# KiCad board FrontEnd_5G.kicad_pcb (continued)
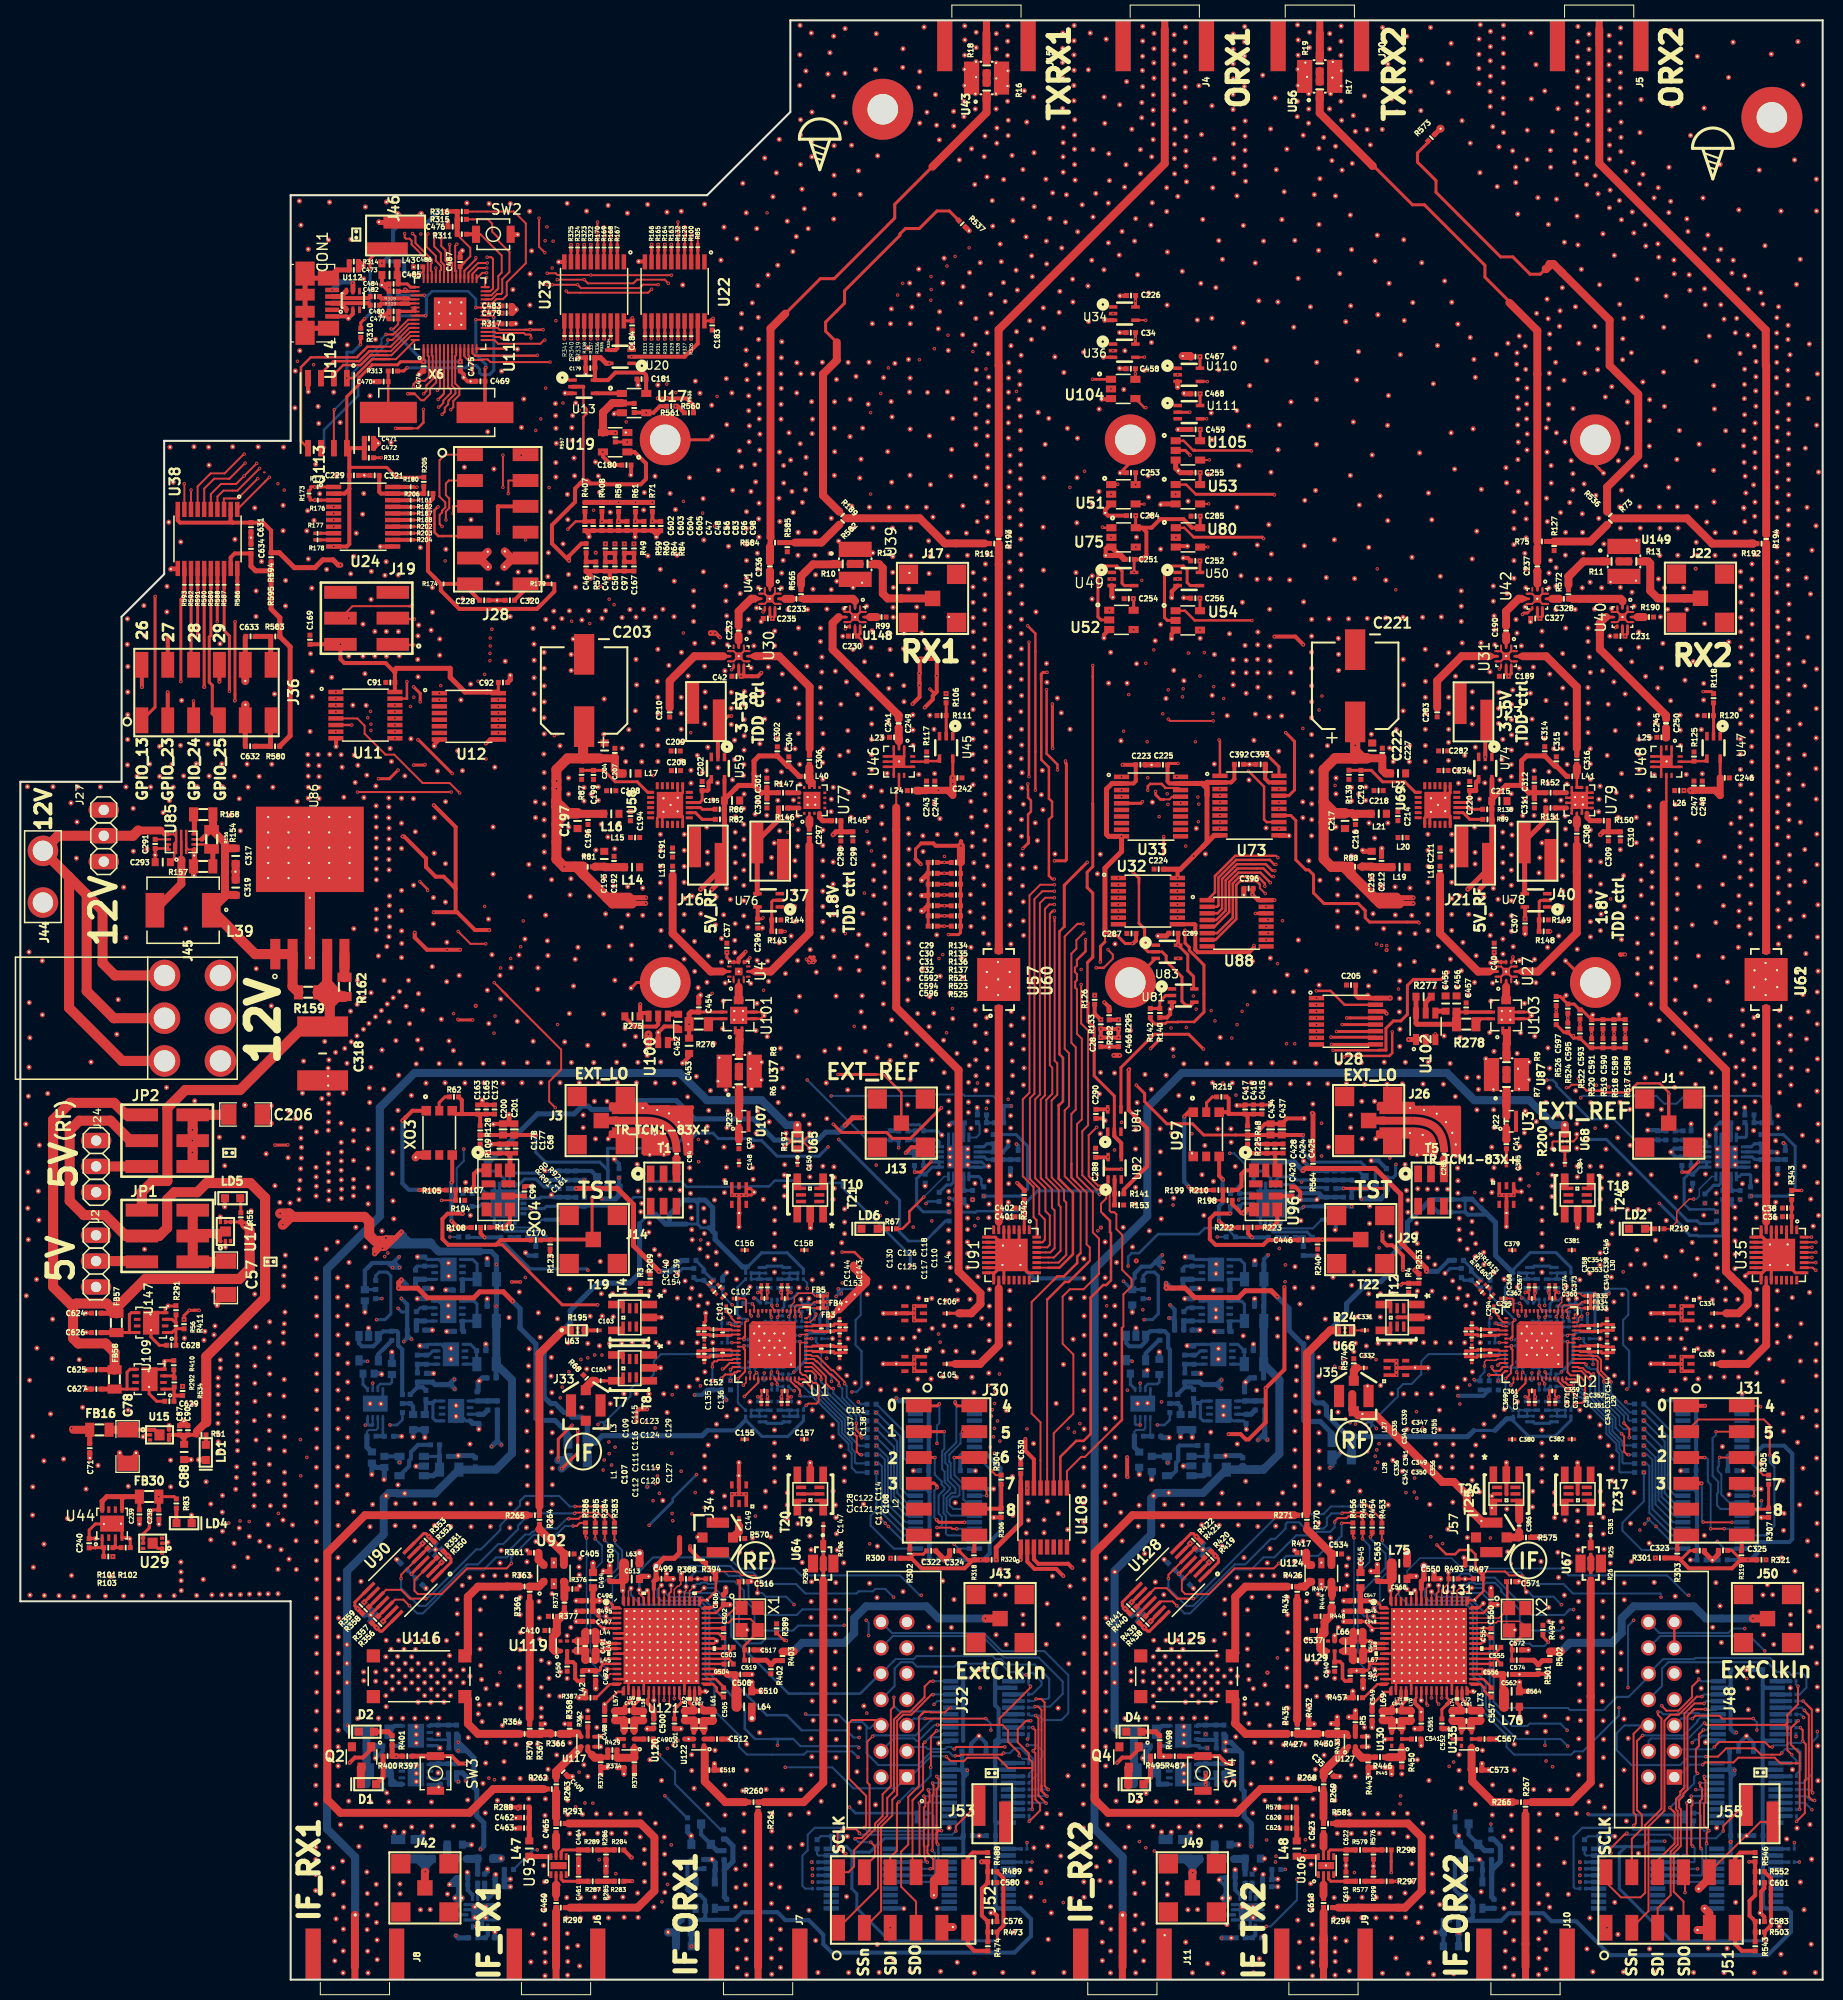
[diagram p0: board, top side]
## Routing (per net, layer and track width the routed paths; a pad name or vN(x,y) marks a point on that pad's centre or on a via; arc(x,y) is an arc through that point) (continued)
  B.FR4 w0.25: 41.19,125.79 41.86,125.79 41.86,125.9 45.33,129.37 ; 45.35,129.39 45.33,129.37 ; 45.33,129.37 45.61,129.65 v1(46.16,129.65) ; 153.31,18.81 152.92,18.81 151.41,20.32 151.41,27.31 151.88,27.78 151.88,30.79 150.81,31.86 150.81,37.64 149.03,39.42 ; 149.03,39.42 148.99,39.46 ; 149.03,39.42 147.57,40.88 v2(146.56,40.88)
  B.FR4 w0.3: 41.19,125.79 v1(41.19,125.8) 42.32,125.8 42.48,125.63 42.48,122.21 39.78,119.51 v1(39.78,119.43) ; 153.31,18.81 153.31,17.09 v2(154.11,16.29) ; v1(35.21,118.04) 35.6,117.65 35.6,102.29 25.74,92.43 25.74,79.78 21.09,75.13 21.09,70.33 20.49,69.73 v2(20.49,44.88) ; v1(38.66,119.38) 37.63,119.38 v1(37.13,118.88)
  B.FR4 w0.4: v1(55.97,133.29) 55.97,133.67 56.75,134.45 56.75,135.79 54.75,137.79 54.75,141.95 56.13,143.33 v1(57.17,143.33)
  B2.RO w0.3: v2(154.11,16.29) 154.21,16.19 163.41,16.19 R544.1
  B2.RO w0.4: R545.1 R544.1
SC1905_#2_SSENn: length 302.6
  F.RO w0.25: v2(66.47,49.64) 66.47,49.65
  F.RO w0.3: v2(153.31,9.6) 153.31,9.6 ; v1(26.29,82.05) 26.27,82.03 v1(25.03,82.03) ; v1(31.01,122.66) 31.01,122.67 U11.7
  F.FR4 w0.2: 83.32,55.33 83.32,55.98 83.72,56.38 84.8,56.38 85,56.18 86.43,56.18 86.87,56.62
  F.FR4 w0.25: 83.32,55.33 83.32,53.07 83.2,52.95 83.2,51.34 82.63,50.77 82.51,50.89 80.3,50.89 79.06,49.65 73.81,49.65 73.31,50.15 70.21,50.15 69.66,49.6 67.87,49.6 67.83,49.64 v2(66.47,49.64) ; 24.95,43 24.95,42.99 24.89,42.99 23.59,44.29 22.4,44.29 v2(21.6,45.09) ; v2(97.21,39.64) 97.21,38.44 99.4,36.25 99.4,36.24 101.33,34.31 108.59,34.31 108.86,34.04 114.49,34.04 114.99,34.54 124.21,34.54 125.73,36.06 126.33,36.06 127.12,36.86 127.34,36.86 128.61,38.13 128.61,40.27 130.56,42.22 133.9,42.22 134.73,43.05 138.87,43.05 139.03,43.21 139.67,43.21 139.81,43.07 v2(139.81,42.86) ; 45.86,41.98 46.7,42.82 50.05,42.82 50.42,42.45 53.52,42.45 54.79,43.72 55.1,43.72 56.04,44.66 v2(61.81,44.66) ; 86.87,56.62 88.71,58.46 88.71,58.56 88.91,58.76 88.91,59.93 89.52,60.54 95.48,60.54 95.85,60.17 97.23,60.17 98.95,58.45 v2(98.95,54.14)
  F.FR4 w0.3: 24.95,43 26.1,43 28.95,40.15 34.14,40.15 38.32,35.97 39.86,35.97 41.18,37.29 41.18,38.63 44.09,41.54 45.42,41.54 45.86,41.98 ; 21.6,45.13 v2(21.6,45.09) 22.4,44.29
  B.FR4 w0.25: v2(139.81,42.86) 140.83,42.86 141.42,42.27 141.95,42.27 144.3,39.92 145.3,39.92 148.79,36.43 148.79,31.82 148.78,31.81 148.78,20.14 149.49,19.43 149.49,17.07 150.1,16.46 150.1,11.05 151.55,9.6 v2(153.31,9.6) ; v2(97.21,39.64) 97.21,43.76 96.61,44.36 96.61,47.78 96.96,48.13 96.97,48.13 96.97,52.16 v2(98.95,54.14)
  B.FR4 w0.3: v1(25.03,82.03) 23.79,83.27 23.79,91.85 34.39,102.45 34.39,117.02 32.25,119.16 32.25,121.05 32.06,121.24 32.06,122.47 31.87,122.66 v1(31.01,122.66) ; 22.15,67.51 23.45,68.81 23.45,75.4 26.91,78.86 26.91,81.43 v1(26.29,82.05)
  B.FR4 w0.4: v2(21.6,45.09) 21.6,46.8 22.15,47.35 22.15,67.51
  B2.RO w0.25: 64.13,47 64.13,47.3 v2(66.47,49.64) ; 64.13,47 61.81,44.68 v2(61.81,44.66) 64.13,46.98 64.13,47
SC1905_FB_#1: length 8.8
  F.RO w0.5: 67.28,22.59 67.2,22.67 U122.1 ; R260.2 71.26,17.45
  F.RO w0.79: 67.26,22.61 67.28,22.59 C518.2 67.28,19.48 69.31,17.45 71.26,17.45
SC1905_FB_#2: length 11.7
  F.RO w0.35: 142.66,20.67 C573.2 ; U135.1 142.66,22.76
  F.RO w0.5: 142.72,19.48 144.73,17.47 ; 146.7,17.45 146.7,17.46 146.71,17.45 R266.2
  F.RO w0.79: 146.7,17.45 144.75,17.45 142.72,19.48 C573.2 142.66,20.67 142.66,22.76
SC1905_IN_#1: length 6.3
  F.RO w0.3: 52.66,20.38 C409.2 52.66,20.38 ; 52.66,20.38 52.66,19.67 R263.1 ; 52.66,20.38 52.66,19.96
  F.RO w0.5: 54.83,22.62 55.11,22.89 U117.1
  F.RO w0.79: 54.88,22.62 54.83,22.62 52.66,20.45 52.66,19.96
SC1905_IN_#2: length 8.5
  F.RO w0.25: R269.1 128.13,20.48 128.32,20.67 C35.2
  F.RO w0.5: U127.1 130.57,22.9 130.25,22.58 ; R269.1 128.13,20.07 ; 128.12,19.97 128.12,20.45
  F.RO w0.79: 129.75,22.1 130.22,22.58 130.25,22.58 ; 129.75,22.1 128.12,20.47 128.12,20.45 ; 129.75,22.1 128.13,20.48 128.13,20.07 128.12,19.97
SC1905_OUT_#1: length 8.6
  F.RO w0.5: C405.2 53.45,41.84 51.03,44.26 R264.2
  F.RO w0.79: U92.4 53.43,41.74 C405.2 53.46,41.84 51.04,44.26 51.03,44.26
SC1905_OUT_#2: length 6.3
  F.RO w0.25: 128.07,42.66 128.89,41.84
  F.RO w0.5: 127.98,42.75 128.07,42.66 ; R270.2 126.47,44.26
  F.RO w0.79: 128.07,42.66 128.89,41.84 C534.2 128.88,41.74 U124.4 ; 127.98,42.75 126.47,44.26
SCLK_2: length 569.7
  F.RO w0.2: U115.17 46.66,161.96 46.77,161.85 49.5,161.85 49.65,161.7 50.12,161.7 50.2,161.62 v1(50.2,161.35) ; U1.13 70.24,60.21 70.24,60.21 70.06,60.21 v2(69.81,59.96) ; v2(144.66,60.23) 144.67,60.23 144.67,60.04 144.87,59.84 145.43,59.84 145.6,60.01 145.6,60.1 145.71,60.21 U2.13
  F.RO w0.25: v1(38.74,133.73) 36.71,133.73 J19.3
  F.RO w0.3: v2(153.31,11.55) 153.31,11.55
  F.FR4 w0.25: 66.34,48.59 63.94,50.99 60.84,50.99 58.95,49.1 53.58,49.1 53.26,49.42 38.81,49.42 37.88,50.35 35.14,50.35 34.88,50.61 32.05,50.61 31.33,51.33 v2(28.16,51.33) ; 66.34,48.59 v2(66.34,47.88) ; 66.34,48.59 v2(64.96,49.97) ; v1(38.74,133.73) 40.21,133.73 v1(45.64,128.3) ; 41.86,34.61 45.76,34.61 47.99,36.84 49.6,36.84 49.6,37.33 51.79,39.52 51.79,39.59 52.79,39.59 53.17,39.21 55.48,39.21 55.69,39.42 55.69,41.58 55.78,41.67 56.68,41.67 57.07,41.28 58.17,41.28 58.18,41.27 60.03,41.27 60.09,41.33 71.82,41.33 72.76,40.39 74.54,40.39 75.8,41.65 77.29,41.65 77.55,41.39 80.35,41.39 80.96,42 98.47,42 100.36,40.11 100.36,39.32 103.16,36.52 107.15,36.52 108.63,38 109.87,38 112.45,35.42 118.9,35.42 119.14,35.66 123.61,35.66 124.39,36.44 124.62,36.44 126.71,38.53 126.71,41.05 127.58,41.92 129.5,41.92 130.32,42.74 133.1,42.74 133.35,42.99 133.35,43.72 133.54,43.91 134.37,43.91 134.58,43.7 136.43,43.7 136.6,43.53 v2(138.65,43.53) ; 39.41,34.14 37.74,34.14 38.5,34.14 ; 19.63,48.77 19.31,48.45 19.31,43.44 21.99,40.76 23.35,40.76
  F.FR4 w0.3: 23.35,40.76 23.86,40.76 28.21,36.41 31.59,36.41 34.23,33.77 35.29,33.77 35.66,34.14 39.41,34.14 39.88,34.61 41.86,34.61 ; 19.63,48.77 19.63,49.79 21.17,51.33 v2(28.16,51.33) ; v2(93.61,76.67) 94.63,77.69 95.69,77.69 95.95,77.43 98.4,77.43 99.39,78.42 106.11,78.42 108.26,80.57 120.35,80.57 121.97,78.95 128.48,78.95 128.85,79.32 131.42,79.32 131.86,78.88 131.86,78.87 135.12,78.87 135.71,79.46 136.41,79.46 136.46,79.51 140.61,79.51 140.97,79.15 144.07,79.15 144.12,79.2 146.22,79.2 146.26,79.24 148.82,79.24 148.83,79.23 v2(149.18,79.23)
  B.FR4 w0.2: 142.85,57.04 140.12,54.31 140.12,46.25 138.65,44.78 v2(138.65,43.53) ; 142.85,57.04 142.85,57.05 ; 142.85,57.04 144.67,58.86 v2(145.29,58.86) ; 168.08,74.29 169.04,74.29 ; 77.79,11.64 77.87,11.64 ; v2(77.77,11.55) 77.76,11.54 77.87,11.65 77.87,12.13 ; v1(50.2,161.35) 50.2,160.44 50.14,160.38 50.14,158.78 40.84,149.48 40.84,146.65 39.89,145.7 39.89,140.51 39.28,139.9 39.28,134.27 v1(38.74,133.73) ; v2(144.66,60.23) 144.66,60.24
  B.FR4 w0.25: 77.87,12.7 80.77,15.6 80.77,23.02 81.08,23.33 81.08,33.88 80.22,34.74 80.22,34.95 80.74,35.47 80.74,35.86 80.06,36.54 77.32,36.54 75.5,38.36 75.5,42.88 73.77,44.61 70.19,44.61 69.7,45.1 69.3,45.1 68.06,46.34 68.06,46.74 66.92,47.88 v2(66.34,47.88) ; 77.87,12.7 R483.2 77.87,12.7 ; 41.24,104.49 41.24,95.49 33.31,87.56 33.31,76.04 28.16,70.89 v2(28.16,51.33) ; 41.24,104.49 41.24,104.63 ; 41.24,104.49 41.24,114.55 41.23,114.55 41.23,118.18 45.64,122.59 v1(45.64,128.3) ; 151.79,12.44 151.79,17.13 151.14,17.78 151.14,19.27 149.29,21.12 149.29,26.27 149.44,26.42 149.44,29.34 149.21,29.57 149.21,30.38 149.65,30.82 149.64,30.82 149.64,37.69 147.4,39.93 146.12,39.93 144.19,41.86 ; 144.19,41.86 144.17,41.88 ; 144.19,41.86 143.47,41.86 142.44,42.89 141.73,42.89 140.94,43.68 138.8,43.68 v2(138.65,43.53) ; v2(64.96,49.97) 64.96,53.3 68.56,56.9 68.56,57.03 69.11,57.58 69.41,57.58 69.81,57.98 v2(69.81,58.88) ; 149.49,77.08 149.29,76.88 149.29,76.49 148.8,76 148.8,74.94 147.03,73.17
  B.FR4 w0.3: 151.79,12.44 152.68,11.55 v2(153.31,11.55) ; 151.22,75.21 149.49,76.93 149.49,78.92 v2(149.18,79.23) ; 151.22,75.21 151.31,75.11 157.17,75.11 ; 151.22,75.21 149.06,75.21 148.8,74.94 ; 157.17,75.11 157.19,75.11 ; 157.17,75.11 161.21,75.11 161.77,75.67 162.88,75.67 163.44,75.11 164.42,75.11 165.14,74.39 165.86,74.39 165.95,74.48 167.89,74.48 168.08,74.29 ; 169.04,74.29 169.66,74.91 169.66,76.06 v2(169.05,76.67) ; 144.66,60.24 144.66,60.65 144.33,60.98 144.33,61.4 144.2,61.53 144.2,62.35 144.12,62.43 144.12,64.37 143.71,64.78 143.71,65.66 144.14,66.09 144.14,67.92 145.66,69.44 145.66,71.8 147.03,73.17
  B2.RO w0.2: v2(144.66,60.23) 144.66,60.03 145.29,59.4 v2(145.29,58.86) ; R483.2 v2(77.77,11.55) ; v2(69.81,58.88) v2(69.81,59.96)
SDIO_2: length 294.3
  F.RO w0.2: v2(69.03,60.02) 69.14,60.02 69.73,60.61 U1.12 ; v2(145.24,60.39) 145.46,60.61 U2.12
  F.RO w0.3: 58.47,152.06 v1(58.49,152.04)
  F.RO w0.4: U17.2 59.16,154.93 R535.2
  F.RO w0.5: U19.4 58.47,152.06
  F.RO w0.79: U19.4 57.27,154.04 58.19,154.96 U17.2
  F.FR4 w0.2: 71.64,57.88 71.67,57.88 ; 71.64,57.88 70.44,57.88 70.22,58.1 67.96,58.1 67.36,58.7 67.36,59.08 67.86,59.58 68.38,59.58 68.81,60.01 69.05,60.01 v2(69.03,60.02) ; 71.64,57.88 73.21,57.88 73.29,57.8 74.93,57.8 75.1,57.97 75.1,58.18 75.37,58.45 75.82,58.45 76.28,58.91 76.99,58.91 78.02,59.94 79.62,59.94 80.07,59.49 80.64,59.49 81.79,60.64 83.73,60.64 84.5,61.42 85.1,61.42 85.91,62.22 87.56,62.22 87.87,62.53 88.14,62.53 88.14,62.58 88.62,62.58 88.84,62.8 89.6,62.8 ; 147.95,78.02 v2(148.3,78.02)
  F.FR4 w0.25: 89.6,62.8 v2(90.26,63.46) ; v2(85.15,76.39) 85.16,76.39 86.18,77.41 89.57,77.41 90.16,76.82 v2(91.3,76.82)
  F.FR4 w0.3: 147.96,78.02 147,78.02 146.92,77.94 141.04,77.94 140.37,78.61 140.41,78.61 ; 110.79,78.6 110.79,78.56 112.17,78.56 ; 112.17,78.56 112.51,78.56 112.93,78.98 115.42,78.98 116.54,77.86 128.96,77.86 129.52,78.42 130.78,78.42 131.4,77.8 ; 112.17,78.56 108.61,78.56 108.57,78.6 ; 140.41,78.61 139.75,78.61 ; 140.41,78.61 139.53,78.61
  F.FR4 w0.4: 110.79,78.6 108.57,78.6 107.13,77.16 106.1,77.16 v2(106.09,77.17) ; 131.4,77.8 135.17,77.8 135.61,78.24 136.85,78.24 137.22,78.61 139.75,78.61
  B.FR4 w0.2: 155.82,78.34 151.98,78.34 151.8,78.52 150.38,78.52 150,78.9 150,79.36 149.38,79.98 148.82,79.98 148.44,79.6 148.44,78.16 v2(148.3,78.02) ; 145.1,61.51 145.24,61.37 v2(145.24,60.39)
  B.FR4 w0.25: 156.35,77.81 155.82,78.34 ; 68.41,63.68 69.01,63.07 69.01,60.04 v2(69.03,60.02) ; 59.23,77.08 57.18,79.13 57.18,81.02 53.95,84.25 53.95,88.07 52.79,89.23 52.79,90.81 52.77,90.83 ; v2(85.15,76.39) 85.15,75.42 85.4,75.17 85.4,72.68 86.87,71.21 87.57,71.21 88.2,70.58 88.27,70.58 88.27,69.73 90.28,67.72 90.28,66.4 90.05,66.17 90.05,64.35 90.26,64.14 v2(90.26,63.46)
  B.FR4 w0.3: 147.55,70.17 147.4,70.32 147.4,70.33 ; 147.55,70.17 150.17,70.17 150.82,70.82 155.98,70.82 156.12,70.96 160.18,70.96 163.03,73.81 v2(163.47,73.81) ; 147.55,70.17 146.75,69.37 146.75,68.61 145.94,67.8 145.94,63.81 145.36,63.81 144.78,63.23 144.78,61.83 145.1,61.51 ; 156.35,77.81 156.35,77.54 157.59,76.3 v2(161.12,76.3) ; 59.23,77.08 59.23,75.13 61.9,72.46 62.97,72.46 64.94,70.49 65.17,70.49 68.4,67.26 68.4,66.51 68.11,66.22 68.11,63.97 68.41,63.68
  B.FR4 w0.4: 58.68,134.59 58.04,133.94 58.04,113.59 56.49,112.03 55.76,112.03 54.59,110.86 54.59,109.38 55.08,108.89 55.08,105.69 55.9,104.87 55.9,93.61 53.12,90.83 52.77,90.83 ; 58.68,134.59 58.69,134.59 ; 58.68,134.59 61.75,137.65 62.85,137.65 63.99,138.79 63.99,139.35 64,139.35 63.47,139.88 63.47,140.74 63.99,141.26 63.99,143.09 62.93,144.15 62.93,145.86 61.01,147.78 61.01,149.06 60.12,149.95 58.84,149.95 58.49,150.3 v1(58.49,152.04)
  B2.RO w0.25: v2(91.3,76.82) 91.47,76.82 91.62,76.67 R77.2 ; 93.88,75.43 93.88,75.4 94.02,75.54 98,75.54 98.64,76.18
  B2.RO w0.3: 93.88,75.43 92.54,75.43 91.92,76.05 R77.2 ; v2(161.12,76.3) 163.47,73.95 v2(163.47,73.81) 164.13,73.15 164.88,73.15 164.94,73.09 167.33,73.09 167.36,73.12 R230.1 ; 98.18,75.7 98.16,75.7 100,77.54 105.72,77.54 v2(106.09,77.17)
SDO_2: length 238.8
  F.RO w0.2: v2(144.35,59.43) 145.58,59.43 145.96,59.81 U2.14 ; v2(68.91,59.1) 69.29,59.48 70,59.48 70.21,59.69 70.41,59.69 U1.14
  F.RO w0.3: v1(43.02,94.38) 43.07,94.33 v1(44.46,94.33)
  F.RO w0.4: 65.07,154.21 R561.2 64.63,154.65 v1(64.43,154.65)
  F.FR4 w0.2: 122.38,60.01 117.86,60.01 116.64,58.79 ; 124.44,58.53 124.63,58.34 127.36,58.34 127.42,58.4 130.81,58.4 136.05,53.16 138.08,53.16 138.61,53.69 138.61,54.77 139.09,55.25 140.17,55.25 140.9,55.98 140.9,55.99 141.49,56.58 v2(141.5,56.58) ; 92.52,63.96 92.52,64.66 92.28,64.9 89.59,64.9 89.15,64.46 88.67,64.46 88.6,64.39 88.13,64.39 87.54,63.8 85.24,63.8 84.8,63.36 84.8,62.61 83.24,61.05 81.43,61.05 81.07,60.69 80.08,60.69 79.79,60.4 78.38,60.4 78.38,60.39 77.55,60.39 76.44,59.28 76.2,59.28 75.97,59.05 76.04,59.12 75.95,59.03 73.65,59.03 73.37,58.75 ; v2(68.91,59.1) 69.25,59.44 70.17,59.44 70.45,59.72 70.8,59.72 70.98,59.54 70.98,59.37 71.89,58.46 73.08,58.46 ; 73.08,58.46 73.37,58.75 ; 73.08,58.46 73.46,58.84 73.37,58.75
  F.FR4 w0.25: 122.38,60.01 122.38,60.02 122.95,60.02 124.44,58.53 ; 97.84,63.68 97.84,63.71 99.47,62.08 99.47,61.39 102.24,58.62 104.93,58.62 106.64,56.91 106.82,56.91 107.48,56.25 107.93,56.25 108.76,55.42 113.27,55.42 116.64,58.79
  F.FR4 w0.3: 92.52,63.96 92.8,63.68 97.84,63.68 ; v1(53.34,154.97) 53.66,154.97 54.53,155.84 56.03,155.84 57.09,154.78 63.81,154.78 64.43,155.4 64.43,155.98
  B.FR4 w0.2: v2(144.35,59.43) v2(141.5,56.58)
  B.FR4 w0.25: 65.5,54.9 68.04,57.44 68.04,58.02 68.91,58.89 v2(68.91,59.1) ; 43.23,91.58 43.02,91.79 v1(43.02,94.38)
  B.FR4 w0.3: 43.23,91.58 44.6,90.21 44.6,82.14 58.83,67.91 58.83,66.85 59.17,66.51 59.17,64.91 58.53,64.27 58.53,61.97 58.57,61.93 58.57,60.13 58.49,60.05 58.49,57.64 60.76,55.37 61.57,55.37 62.04,54.9 65.5,54.9 ; v1(44.46,94.33) 44.97,94.33 45.9,95.26 45.9,96.18 50.52,100.8 50.52,105.17 50.51,105.17 51.06,105.72 51.06,106.86 50.52,107.4 50.52,108.83 50.72,109.03 50.72,110.59 50.11,111.2 50.11,113.33 49.91,113.53 49.91,116.17 50.11,116.37 50.11,123.9 49.01,125 49.01,132.45 49.48,132.92 49.48,136.49 50.99,138 50.99,140.96 51.5,141.47 51.5,145.02 53.36,146.88 53.36,154.95 v1(53.34,154.97)
  B.FR4 w0.4: v1(64.43,154.65) v1(64.43,156)
  B2.RO w0.2: v2(144.35,59.43) 144.39,59.39 R251.1
  B2.RO w0.4: R207.1 v2(68.91,59.1)
Vdio: length 1495.9
  F.RO w0.1: 145.33,100.02 144.89,100.46 v1(144.89,100.98)
  F.RO w0.15: 46.2,163.96 47.21,163.96 U115.22
  F.RO w0.2: v2(85.03,44.86) 85.02,44.86 ; C480.1 37.16,163.96 U115.49 ; C482.1 U115.44 ; 47.21,163.96 U115.22 ; 47.21,163.96 v1(47.36,163.81) 47.21,163.96 ; 39.6,168.43 39.65,168.38 U115.42 ; v2(36.45,162.25) 36.66,162.25 37.14,162.72 C477.1 ; 43.24,168.37 C487.1 43.24,168.37 ; 43.24,168.37 U115.33 43.24,168.37 ; U104.5 v1(109.61,157.85) C458.2 ; 39.27,167.6 39.65,167.98 39.65,168.27 C486.1 ; R311.1 42.95,171.5 44.23,170.22 44.23,169.38 43.65,168.8
  F.RO w0.25: v1(121.11,106.65) 121.19,106.73 C396.1 ; v1(113.76,108.29) 113.75,108.28 113.74,108.28 ; 38.18,163.98 38.43,163.98 U115.48 ; v1(82.72,131.11) 82.72,131.64 C230.2 ; 92.46,111.88 92.48,111.9 ; U115.1 v2(39.65,159.02) ; U115.48 U115.49 38.81,164.31 38.76,164.36 U115.48 ; U115.10 C475.1 ; v2(38.58,167.6) 39.27,167.6
  F.RO w0.3: v2(171.48,3.82) 171.48,4.64 R503.2 ; 113.76,108.31 113.74,108.28 ; v2(96.03,3.81) 96.04,3.82 96.04,4.64 R473.2 ; v2(39.65,159.02) 37.38,159.02 37.09,158.73 34.59,158.73 33.29,157.43 33.29,156.79 32.09,155.59 U113.8 ; v2(43.26,159.02) C475.1 ; U22.20 C183.1 68.01,163.2 v1(68.1,163.29) ; U23.20 C184.1 60.14,163.31 v1(60.16,163.33) ; v1(111.1,91.52) 111.95,92.37 v1(112.07,92.37) ; v1(91.23,102.72) 92.23,102.72 92.42,102.91 R525.2 R523.2 R521.2 R137.2 R136.2 R135.2 R134.2 ; v1(115.96,159.52) U110.5 ; v1(115.97,155.87) U111.5 ; U105.5 115.97,152.36 v1(115.98,152.37) ; U75.5 109.64,142.72 v1(109.64,143.9) ; C225.1 112.9,119.54 v1(113.8,119.54) ; v1(109.49,138.32) 109.49,139.59 C251.2 ; U52.5 109.44,135.71 v1(109.41,135.74) ; U50.5 115.96,139.44 v1(115.95,139.45) ; U54.5 115.96,135.77 v1(115.95,135.78) ; v1(123.3,106.1) 123.3,106.11 U88.16 ; 32.34,148.64 36.02,148.64 36.99,147.67 R205.1 ; U11.16 36.82,126.56 ; U12.16 46.99,126.45 C92.1 ; v1(17.57,65.78) 17.55,65.8 17.09,65.8 17.08,65.79 v1(16.61,65.79) 16.09,65.27 v1(16.09,64.88) ; v2(161.46,56.91) 161.44,56.91 ; 38.21,165.96 C482.1 ; 152.67,92.57 152.69,92.55 R522.2 154.27,91.59 R520.2 R519.2 R518.2 R517.2 ; 152.67,92.57 v1(152.67,92.78) ; 152.67,92.57 R524.2 151.73,93.12 R526.2 ; v1(152.67,92.78) 152.57,92.68 v1(152.67,92.78) ; U34.5 v1(109.62,165) 109.62,165.52 C226.2 ; U36.5 v1(109.61,161.31) C34.2 ; v1(89.41,126.85) 89.87,126.4 89.88,126.4 ; v2(61.61,69.61) 61.88,69.34 61.96,69.34 R209.2 ; 77.61,100.49 77.99,100.49 ; 77.61,100.49 77.61,100.5 77.94,100.17 78.12,100.17 77.99,100.3 77.99,100.49 ; 77.61,100.49 77.99,100.49 ; 77.99,100.49 78.01,100.51 77.99,100.49 ; 88.56,111.69 88,111.13 88,110.15 ; 78.14,100.14 77.97,99.97 77.94,99.97 ; 77.94,99.97 77.56,99.97 v1(77.55,99.96) 77.55,100.02 v1(77.27,100.3) ; 77.94,99.97 v1(77.94,99.98) ; 157.75,100.77 v3(157.76,100.76) ; U27.8 U27.9 145.33,100.02 144.88,100.46 144.88,101.02 ; U4.8 U4.9 69.88,100.02 69.45,100.45 v1(69.45,100.97) ; U31.8 146.06,128.34 v1(146.29,128.11) 146.56,128.38 U31.9 ; v1(109.63,146.95) C253.2 ; U41.8 73.68,134.04 v1(73.93,133.79) 74.18,134.04 U41.9 ; U40.8 157.49,132.31 v1(157.74,132.06) 157.99,132.31 U40.9 157.99,132.99 ; U53.5 v1(115.97,148.12) ; 149.62,134.8 149.62,134.05 v1(149.37,133.79) 149.12,134.03 149.12,134.8 ; U80.5 v1(115.98,143.85) ; U30.8 70.62,128.34 v1(70.85,128.11) 71.12,128.38 U30.9 ; U39.8 82.05,132.31 C230.2 82.55,132.31 U39.9 ; C487.1 43.65,168.8 ; 38.18,163.98 C480.1 38.37,163.98 38.18,163.98
  F.RO w0.4: R552.2 172.08,9.97 172.08,5.32 R503.2 ; U33.19 112.97,117.58 112.77,117.77 C225.1 ; U73.2 119.02,117.68 119.34,118 C392.1 ; C205.1 131.26,96.75 131.53,96.48 U28.16 132.78,96.48 v1(132.45,96.81) ; 113.76,108.31 113.76,108.91 113.52,109.15 C224.1 ; v1(134.3,101.2) 134.31,101.2 ; R473.2 96.64,5.32 96.64,9.97 R489.2 ; 42.35,173.79 R316.2 ; R316.2 42.92,173.81 ; R316.2 42.92,173.81 ; U108.16 98.34,49.76 C630.1 ; 32.34,146.53 31.87,146.06 U24.2 ; 32.34,146.53 32.34,141.11 32.1,140.87 v1(30.8,140.87) ; 32.34,146.53 C229.1 32.34,150.28 U113.8 C472.1 ; U17.5 61.51,155.93 C181.1 61.51,157.71 61.26,157.96 58.5,157.96 57.76,157.22 U13.5 C179.1 ; 89.64,129.83 v1(88.41,129.83) ; v1(88.41,129.83) v1(90.09,129.83) 90.09,128.18 v1(90.08,128.17) 90.08,126.59 89.69,126.2 89.69,125.83 v1(88.9,125.04) ; v1(88.41,129.83) 88.41,128.42 v1(88.38,128.39) 88.38,127.46 88.39,127.45 v1(88.39,127.23) 88.39,126.07 v1(87.7,125.38) ; 71.09,100.77 70.62,100.3 70.62,100.36 ; v2(37.83,166.13) 37.89,166.07 37.89,165.96 ; C251.2 110.28,139.6 110.69,140.01 110.69,142.29 110.27,142.71 U75.5 111.2,142.71 112.04,143.55 114.33,143.55 115.17,142.71 U80.5 ; 92.48,111.9 92.46,111.88 92.46,111.45 ; C180.1 58.09,148.87 57.27,149.69 U19.5 v1(57.26,150.15) ; 20.88,143.21 20.66,143.43 20.66,144.5 U38.2 ; 20.88,143.21 C631.1 23.88,143.21 24.65,142.44 R594.1 ; 20.88,143.21 15.7,143.21 15.48,143.44 U38.10 ; C396.1 121.11,107.17 v1(121.11,106.65) 121.66,106.11 U88.16 ; 42.92,173.81 v2(41.69,173.81) ; v1(126.12,131.22) 125.33,132.01 v1(123.28,132.01) ; 70.62,100.36 70.62,100.37 v1(71.29,101.04) ; 70.62,100.36 U4.8 ; v1(72.84,128.45) 72.5,128.11 v1(70.85,128.11) ; 67.85,132.36 67.85,132.35 v1(67.86,132.36) 68.34,132.36 v1(68.77,131.93) ; 92.46,111.45 89.98,111.45 89.74,111.69 88.56,111.69 ; 92.46,111.45 v1(92.46,111.44) ; 88,110.15 v1(88.51,109.64) ; 45.83,126.56 45.83,126.55 46.88,126.55 U12.16 ; v2(168.13,13.54) 168.12,13.54 ; 157.29,100.74 157.3,100.73 157.26,100.77 157.75,100.77 ; U11.16 C91.1 36.82,128.49 35.9,129.41 31.85,129.41 31.46,129.8 v1(31.46,131.25) 31.46,131.25 C169.1 ; C477.1 37.14,163.97 ; v1(106.21,93.45) v1(106.21,92.6) v1(107.95,92.6) v1(107.95,93.45) v1(106.21,93.45)
  F.RO w0.5: 117.92,112.48 117.37,112.48 116.24,111.35 ; R312.1 33.81,150.53 C472.1 C471.1 ; v1(57.89,158.87) 57.59,158.87 57.04,159.42 C182.1 56.47,158.41 C179.1 ; v1(67.86,132.36) 67.84,132.34 ; v1(67.86,132.36) v1(68.28,132.36) 67.85,132.36 v1(67.86,132.36) ; 36.82,128.49 36.82,128.75 36.96,128.89 42.26,128.89 42.26,128 43.7,126.56 46.91,126.56 ; 134.67,96.49 v1(134.66,96.48) U28.16 ; 116.24,111.35 v1(115.33,110.44) 114.04,109.15 C224.1 ; 116.24,111.35 116.65,111.76 116.65,116.43 ; v2(95.93,41.27) 95.93,42.47 98.34,44.88 U108.16 ; 31.51,139.04 v1(31.46,139.04) 31.25,139.04 30.74,139.55 29.73,139.55 28.97,138.79 26.93,138.79 25.47,140.25 R594.1 ; v2(137.09,69.74) 137.1,69.74 R253.2 ; 116.65,117.68 116.67,117.68 116.42,117.43 116.28,117.58 116.14,117.58 ; 116.65,117.68 U73.2 ; 116.65,117.68 116.65,116.43 ; 116.65,116.43 116.65,117.07 116.14,117.58 116.14,117.58 ; 116.14,117.58 U33.19 ; R407.2 R408.2 v1(58.81,145.2) v1(60.47,145.2) v1(62.13,145.2) ; R315.2 R316.2 ; R315.2 42.95,172.3 ; R315.2 R311.1
  F.RO w0.79: v1(92.46,111.44) 92.46,109.85 R134.2
  F.FR4 w0.2: v2(160.78,44.55) 160.79,44.55
  F.FR4 w0.25: 74.03,133.79 v1(73.93,133.79) ; v1(121.11,106.65) 121.11,106.27 120.22,105.38 117.92,105.38 115.01,108.29 v1(113.76,108.29) ; 92.48,111.89 92.46,111.87 v1(92.46,111.44) ; 94.45,112.68 93.74,111.97 92.99,111.97 ; 93.85,130.22 94.76,129.31 97.49,129.31 98.15,129.97 ; 153.2,55.03 153.2,55.05 154.1,55.95 ; 68.95,91.42 68.9,91.37
  F.FR4 w0.3: 104.87,90.02 105.05,89.84 ; 108.24,89.84 109.08,90.68 110.25,90.68 111.1,91.53 ; 108.79,88.39 110.22,89.82 111.31,89.82 112.52,91.03 112.52,91.92 v1(112.07,92.37) 112.15,92.45 114.92,92.45 ; v1(16.61,65.79) 16.62,65.8 18.57,65.8 18.74,65.63 24.87,65.63 28.18,68.94 28.18,80.16 28.66,80.64 28.66,81.53 29.69,82.56 30.68,82.56 31.33,83.21 31.79,83.21 32.07,83.49 32.07,83.82 32.97,84.72 32.97,91.07 34.88,92.98 56.72,92.98 58.44,91.26 60.53,91.26 60.83,91.56 66.44,91.56 66.63,91.37 68.9,91.37 ; 114.92,92.45 116.46,92.45 116.92,91.99 v1(125.27,91.99) ; 114.92,92.45 112.39,92.45 ; 154.1,55.95 154.11,55.96 154.11,56.33 155.08,57.3 160.63,57.3 161.02,56.91 v2(161.46,56.91) ; v1(58.45,141.12) 59.12,140.45 59.75,140.45 60.32,141.02 v1(60.32,141.12) ; v1(152.67,92.78) 152.5,92.78 150.33,94.96 ; v2(141.32,57.39) 142.03,57.39 143.04,56.38 145.18,56.38 145.51,56.71 146.29,56.71 146.29,56.7 146.35,56.64 146.35,56.65 147.2,55.8 ; 127.93,131.03 127.74,131.22 ; 78.52,54.59 78.92,54.59 80.39,56.06 82.7,56.06 83.38,56.74 85.69,56.74 v2(86.09,57.14) 85.83,57.4 84.87,57.4 84.84,57.37 83.26,57.37 83.15,57.48 82.3,57.48 82.05,57.23 79.9,57.23 77.96,55.29 77.96,55.19 77.96,55.22 ; 68.95,91.42 70.55,91.42 70.96,91.83 ; 78.36,100.89 77.95,100.48 ; 78.36,100.89 77.95,100.48 ; 78.36,100.89 78.61,101.14 82.62,101.14 82.92,100.84 83.74,100.84 84.55,101.65 84.56,101.65 84.56,101.67 86.6,101.67 87.24,101.03 88.06,101.03 88.34,100.75 v1(90.67,100.75) ; 77.95,100.48 77.61,100.48 ; 77.95,100.48 77.95,100 ; 77.61,100.48 77.3,100.48 76.93,100.85 ; 77.61,100.48 77.61,100.51 ; 76.93,100.85 77.27,100.51 v1(77.27,100.3) 77.27,100.32 ; 76.93,100.85 76.67,101.11 75.96,101.11 75.68,100.83 73.32,100.83 73.32,100.93 73.09,101.16 72.28,101.16 72.16,101.04 v1(71.29,101.04) ; 78.13,100.16 77.99,100.3 77.99,100.49 ; 78.13,100.16 78.12,100.17 ; 78.13,100.16 78.14,100.16 ; 77.61,100.51 77.96,100.16 78.14,100.16 ; 77.61,100.51 77.61,100.49 ; 78.14,100.16 78.14,100.14 ; 77.56,99.96 77.27,100.25 77.27,100.32 ; 77.56,99.96 v1(77.55,99.96) ; 77.56,99.96 77.93,99.96 77.95,99.98 ; 77.95,99.98 v1(77.94,99.98) ; 77.95,99.98 77.95,100 ; 77.27,100.32 77.63,100.32 77.95,100 ; 159.89,93.74 154.42,93.74 153.17,94.99 152.5,94.99 150.62,96.87 150.33,96.87 ; 151.43,98.5 151.43,98.78 153.64,100.99 154.49,100.99 ; 150.86,97.93 150.86,98.12 ; 157.26,100.76 157.26,100.77
  F.FR4 w0.4: 74.03,133.79 75.66,132.16 79.43,132.16 80.22,131.37 82.46,131.37 v1(82.72,131.11) ; v1(90.09,129.83) 84.22,129.83 83.72,130.33 82.62,130.33 81.59,129.3 78.36,129.3 76.42,131.24 75.3,131.24 74.76,131.78 70.7,131.78 70.7,131.77 70.52,131.95 68.75,131.95 68.74,131.96 ; v1(90.09,129.83) 90.11,129.83 ; v1(90.09,129.83) 92.12,129.83 92.51,130.22 93.85,130.22 ; v2(64.08,57.49) 64.1,57.47 64.08,57.47 64.08,57.48 v2(66.28,57.48) ; 134.95,95.8 136.97,95.8 136.98,95.81 136.98,95.8 ; 111.43,110.08 111.46,110.08 109.84,110.08 ; 93.14,111.97 93.11,111.97 ; 92.99,111.97 v1(92.46,111.44) ; v1(16.09,64.88) 16.09,65.27 v1(16.61,65.79) ; 98.15,129.97 99.6,129.97 102.79,133.16 107.99,133.16 108.79,133.96 111.96,133.96 112.23,134.23 114.53,134.23 115.01,133.75 115.66,133.75 ; 115.66,133.75 115.95,134.04 v1(115.95,135.78) 115.95,134.23 116.43,133.75 ; 115.66,133.75 116.43,133.75 ; 116.43,133.75 119.31,133.75 120.02,134.46 121.4,134.46 122.45,133.41 ; 122.45,133.41 123.28,132.58 v1(123.28,132.01) ; 122.45,133.41 123.25,132.61 ; 78.52,54.59 78.52,54.64 78.02,55.14 78.02,55.22 ; 147.2,55.8 147.2,55.79 148.24,55.79 148.54,56.09 150.4,56.09 151.48,55.01 153.18,55.01 153.2,55.03 ; 70.96,91.83 71.08,91.95 73.9,91.95 74.71,92.76 74.76,92.76 ; 70.96,91.83 70.96,91.82 70.96,91.83 ; 109.84,110.08 109.42,110.08 108.18,111.32 99.46,111.32 99.02,111.76 98.01,111.76 97.47,112.3 95.83,112.3 95.44,112.68 94.45,112.68 ; 109.84,110.08 111.52,110.08 111.66,109.94 113.19,109.94 113.69,110.44 v1(115.33,110.44) ; v1(73.93,133.79) 73.65,133.51 73.65,133.15 72.99,132.49 72.67,132.49 72.11,133.05 71.3,133.05 70.94,133.41 68.66,133.41 67.83,134.24 65.92,134.24 63.21,136.95 v1(57.03,136.95) ; v2(161.64,13.61) 161.64,13.13 163.32,11.45 164,11.45 164.61,12.06 165.97,12.06 167.45,13.54 v2(168.13,13.54) ; 150.33,96.78 150.33,96.87 150.33,94.96 ; 151.43,98.5 150.86,97.93 ; 160.49,93.33 160.49,93.35 160.1,93.74 159.89,93.74 ; 157.26,100.77 157.26,100.76 ; 157.26,100.77 157.26,100.76 ; 157.26,100.77 157.29,100.74 157.04,100.99 154.49,100.99 ; 157.26,100.76 v3(157.76,100.76) ; 97.74,91.05 98.43,90.36 ; v1(149.37,133.79) 149.58,133.58 149.81,133.58 150.7,132.69 150.7,132.25 150.27,131.82 148.74,131.82 147.56,133 145.88,133 145.56,133.32 143.28,133.32 142.35,132.39 134.01,132.39 132.65,131.03 127.93,131.03 127.74,131.22 v1(126.12,131.22)
  F.FR4 w0.5: 144.88,100.98 v1(144.89,100.98) 144.89,100.68 145.39,100.17 145.39,97.22 ; v2(171.6,41.27) 170.77,40.44 164.99,40.44 164.17,41.26 160.91,41.26 v2(160.72,41.45) ; v2(95.93,41.27) 94.93,40.27 89.72,40.27 v2(88.73,41.26) 85.72,41.26 v2(85.56,41.42) ; 104.87,90.02 104.87,92.99 104.2,93.66 98.42,93.66 97.71,92.95 97.06,92.95 96.3,92.19 94.73,92.19 93.82,93.1 90.3,93.1 89.94,92.74 89.94,91.94 89.06,91.06 87.81,91.06 87.28,91.6 86.72,91.6 86.2,91.08 86.2,91.06 85.25,91.06 83.55,92.76 77.05,92.76 ; 105.05,89.84 108.24,89.84 ; 77.05,92.76 74.76,92.76 ; 77.05,92.76 77.05,91.44 78.37,90.12 82.79,90.12 83.29,89.62 87.6,89.62 88.38,88.84 88.38,88.83 88.75,88.46 91.17,88.46 92.58,89.87 92.58,90.53 93.24,91.19 94.16,91.19 94.72,90.63 96.77,90.63 97.19,91.05 97.74,91.05 ; 108.79,88.39 105.26,88.39 103.29,90.36 98.43,90.36 ; 52.67,163.03 52.22,163.48 51.59,163.48 51.31,163.76 49.68,163.76 49.4,163.48 47.68,163.48 v1(47.36,163.81) ; 46.81,93.03 46.86,92.98 ; 46.17,93.03 46.17,92.98 46.22,93.03 v1(46.56,93.03) ; 145.39,97.22 143.32,97.22 143.08,96.98 143.08,96.13 142.75,95.8 136.98,95.8 ; 145.39,97.22 149.88,97.22 149.92,97.18 ; 134.95,95.8 134.67,96.08 134.67,96.49 ; 150.33,96.78 149.92,97.18 ; 149.92,97.18 150.86,98.12 ; 78.02,55.22 77.96,55.22 ; 67.53,132.36 68.34,132.36 v1(68.77,131.93) ; 67.53,132.36 v1(65.18,132.36) v1(68.28,132.36) v1(67.86,132.36) 67.53,132.36 ; v1(65.18,145.3) 65.08,145.2 v1(62.13,145.2) v1(60.47,145.2) v1(58.81,145.2) ; 77.96,55.19 76.31,55.19 75.43,56.07 73.06,56.07 73.04,56.05 71.48,56.05 70.55,56.98 v2(69.39,56.98) ; 45.49,92.98 47.57,92.98 45.49,92.98
  F.FR4 w0.79: 46.17,93.03 46.81,93.03
  B.FR4 w0.1: v1(144.89,100.98) 144.89,100.98
  B.FR4 w0.2: 47.08,171.01 47.08,166.38 47.35,166.11 47.35,163.81 v1(47.36,163.81) ; v1(109.61,157.85) 109.63,157.85 ; v1(109.61,157.85) 109.63,157.85 ; v1(109.61,157.85) 109.63,157.85
  B.FR4 w0.25: v1(121.11,106.65) 121.1,106.65 ; 64.4,60.4 64.4,60.38 ; 71.95,106.23 71.95,106.21 ; 71.95,106.23 71.95,106.87 ; 71.95,106.23 71.95,103.89 72.25,103.59 72.25,101.93 71.34,101.02 ; 110.9,155.71 110.9,156.55 109.61,157.84 v1(109.61,157.85) ; 64.4,65.34 64.4,64.99
  B.FR4 w0.3: 111.07,91.52 v1(111.1,91.52) ; 47.36,163.81 v1(47.36,163.81) ; v1(90.67,100.75) 90.67,102.16 v1(91.23,102.72) 91.23,100.95 ; v1(90.67,100.75) 91.04,100.75 91.23,100.94 91.23,100.95 ; v1(90.67,100.75) 90.67,100.74 v1(90.3,100.37) ; v1(91.05,93.07) 90.67,93.45 90.67,97.29 91.23,97.85 91.23,100.95 ; v1(115.97,148.12) 115.98,148.12 ; v1(115.97,148.12) 115.97,143.86 v1(115.98,143.85) 115.98,139.48 v1(115.95,139.45) v1(115.95,135.78) 115.94,135.78 114.54,134.38 114.54,131.41 114.27,131.14 114.27,129.62 114.54,129.35 114.54,129.04 113.5,128 113.5,122.77 113.23,122.5 113.23,120.68 113.8,120.11 v1(113.8,119.54) ; v1(115.97,148.12) 115.98,148.13 v1(115.98,152.37) 115.97,152.38 v1(115.97,155.87) ; v1(115.97,155.87) 115.98,155.88 ; v1(115.97,155.87) 115.96,155.88 v1(115.96,159.52) ; 109.63,159.53 109.64,159.53 ; 109.63,159.53 109.62,159.54 109.62,161.31 ; 109.63,159.53 109.63,157.85 ; v1(109.41,135.74) 109.41,138.24 v1(109.49,138.32) ; v1(125.27,91.99) 125.8,92.52 125.8,96.95 126.48,97.63 ; v1(124.47,91.99) 124.47,97.35 122.13,99.69 122.13,100.24 121.59,100.78 121.04,100.78 120.58,101.24 120.58,105.3 121.11,105.83 v1(121.11,106.65) ; v1(123.3,106.1) 124.82,104.58 124.82,100.77 125.44,100.15 125.44,98.69 126.48,97.65 126.48,97.63 ; 126.48,97.63 127.42,98.57 130.69,98.57 131.22,98.04 131.22,97.43 131.84,96.81 v1(132.45,96.81) ; v1(30.8,140.87) 30.8,140.87 ; v1(31.46,131.25) 31.46,131.25 ; v2(88.73,41.26) 88.73,38.93 90.23,37.43 90.23,31.63 93.02,28.84 93.02,20.92 93.09,20.85 v2(93.09,20.58) ; v1(57.89,158.87) 57.89,158.88 ; v1(115.33,110.44) 115.32,110.45 115.31,110.45 ; 109.62,161.31 v1(109.61,161.31) ; 109.62,161.31 v1(109.61,161.31) ; 109.62,161.31 v1(109.61,161.31) ; 109.62,161.31 v1(109.62,165) ; 109.63,145.52 109.63,144.52 109.63,143.91 v1(109.64,143.9) ; 109.63,145.52 v1(109.63,146.95) ; 109.63,145.52 112.41,148.3 112.41,149.6 112.58,149.77 112.58,154.03 110.9,155.71 ; 164.17,41.26 165.22,40.21 165.22,32.48 167.01,30.69 167.01,25.42 167.91,24.52 167.91,21.2 v2(168.53,20.58) ; 60.53,163.04 60.24,163.33 v1(60.16,163.33) ; 59.69,163.06 59.89,163.06 ; 59.69,163.06 59.65,163.06 ; 59.69,163.06 59.89,163.06 ; 59.89,163.06 v1(60.16,163.33) ; 59.89,163.06 v1(60.16,163.33) ; 59.89,163.06 v1(60.16,163.33) ; C183.1 68.1,163.13 v1(68.1,163.29) 67.71,163.29 67.46,163.04 ; v2(61.61,69.61) 61.61,69.23 61.61,69.34
  B.FR4 w0.4: 134.3,98.27 v1(134.3,101.2) 134.3,101.62 ; 134.3,101.62 v1(134.32,101.64) ; 134.3,101.62 v1(134.32,101.64) ; v1(134.32,101.64) 134.31,101.65 v1(133.82,101.65) 133.68,101.79 v1(133.33,101.79) ; 57.03,136.96 v1(57.03,136.95) 57.03,136.96 ; 57.03,136.96 57.03,138.3 58.45,139.72 v1(58.45,141.12) ; 62.54,68.14 62.54,68.8 61.99,69.35 R209.2 ; 62.54,68.14 62.54,68.3 61.61,69.23 ; 62.54,68.14 62.54,67.2 ; 64.4,65.34 64.4,60.38 ; 63.4,59.38 63.4,58.37 64.08,57.69 v2(64.08,57.49) ; v2(141.32,57.39) 140.69,57.39 140.58,57.5 140.58,58.93 139.86,59.65 139.86,65.38 138.01,67.23 138.01,68.54 137.49,69.06 R253.2 ; 64.4,64.99 63.11,63.7 63.11,61.69 64.4,60.4 ; v2(36.45,162.25) 37.83,163.63 v2(37.83,166.13) ; 71.34,101.04 71.34,102.14 70.49,102.99 70,102.99 69.63,103.36 69.63,104.19 70.42,104.98 70.42,106.54 70.75,106.87 71.95,106.87 ; 71.34,101.04 v1(71.29,101.04) ; 71.34,101.04 71.34,101.02 ; 65.2,139.02 65.14,139.02 65.54,139.42 65.54,140.32 65.2,140.66 65.2,140.83 ; 73.01,131.44 73.01,132.51
  B.FR4 w0.5: v1(134.3,101.2) 134.3,98.27 132.84,96.81 v1(132.45,96.81) ; 47.08,171.01 47.08,166.38 47.35,166.11 47.35,161.86 44.51,159.02 v2(43.26,159.02) ; v1(30.8,140.87) 31.46,140.2 v1(31.46,139.04) v1(31.46,131.25) ; v1(65.18,132.36) 65.2,132.38 65.2,139.02 ; 73.01,131.44 73.01,129.81 72.58,129.38 72.58,129.45 72.58,128.71 v1(72.84,128.45) ; 59.37,163.06 59.37,159.97 58.27,158.87 v1(57.89,158.87) ; 59.37,163.06 v1(52.64,163.06) ; 59.37,163.06 60.12,163.06 C184.1 C183.1 ; 50.43,81.92 49.89,81.92 ; v1(134.66,96.48) 134.66,96.48 134.24,96.48 132.95,95.19 132.95,89.85 ; 132.95,89.85 132.95,89.72 ; 132.95,89.85 132.95,88.15 134.51,86.59 134.51,81.99 133.6,81.08 133.6,77.36 134.94,76.02 134.94,74.48 134.97,74.51 134.98,74.51 135.74,73.75 135.74,71.09 135.74,71.1 137.09,69.75 v2(137.09,69.74) 137.5,69.33 137.49,69.33 ; 65.2,140.83 65.2,141.31 65.18,141.33 v1(65.18,145.3) ; 71.95,106.87 71.95,111.52 74.19,113.76 74.19,114.88 73.43,115.64 73.43,116.15 72.01,117.57 72.01,127.28 71.18,128.11 v1(70.85,128.11) ; v2(85.56,41.42) 86.59,42.45 86.59,44.8 85.73,45.66 85.73,56.61 86.09,56.97 v2(86.09,57.14) ; 47.08,170.53 47.08,171.27 44.54,173.81 v2(41.69,173.81) ; 73.01,132.51 73.92,133.42 73.92,133.82 73.92,133.78 v1(73.93,133.79) ; 49.36,85.42 49.36,85.71 ; R209.2 61.6,69.35
  B.FR4 w0.79: v1(58.81,145.2) 59.13,145.52 59.13,146.17 ; 59.13,146.17 59.13,147.82 57.26,149.69 v1(57.26,150.15) 57.26,154.23 57.89,154.86 v1(57.89,158.87) ; 59.13,146.17 59.5,146.17 v1(60.47,145.2) ; 62.54,67.2 64.4,65.34 ; 63.4,59.38 64.4,60.38 ; 61.6,69.35 61.61,69.34 52.52,78.43 52.52,79.83 50.43,81.92 ; 49.89,81.92 49.36,82.45 49.36,85.42 ; 49.36,85.71 48.4,86.67 48.4,91.19 v1(46.56,93.03) ; v2(161.46,56.91) 162.34,56.03 162.34,43.89 160.72,42.27 v2(160.72,41.45)
  B2.RO w0.2: R553.2 154.11,14.09 C600.1 155.16,14.07 U139.20 ; U133.20 79.71,14.08 C578.1 78.67,14.1 78.33,13.76 R490.2 ; v2(84.6,45.28) v2(85.03,44.86) v2(85.34,44.54) 86.87,43.02 U25.2 ; 36.45,162.24 38.59,160.11 38.59,160.09 ; v2(159.67,44.78) 160.05,45.16 v2(160.05,45.28) v2(160.78,44.55) 162.31,43.02 U71.2
  B2.RO w0.25: 38.07,167.6 v2(38.58,167.6)
  B2.RO w0.3: U139.20 155.38,13.07 157.81,13.07 ; v2(171.48,3.82) 164.89,3.82 164.89,3.81 162.31,3.81 157.18,8.94 157.18,12.44 157.81,13.07 ; 157.81,13.07 159.55,13.07 160.09,13.61 160.65,13.61 160.65,13.6 160.66,13.61 v2(161.64,13.61) ; v2(168.53,20.58) 168.53,20.17 168.13,19.77 ; v2(96.03,3.81) 96.02,3.82 85.43,3.82 82.22,7.03 82.22,8.46 81.74,8.94 81.74,12.44 81.84,12.54 81.94,12.54 ; U133.20 79.93,13.07 81.23,13.07 81.76,12.54 81.94,12.54 ; C526.1 92.44,13.9 84.96,13.9 84.31,13.25 84.22,13.25 83.51,12.54 81.94,12.54 ; v2(93.09,20.58) 93.09,20.17 92.69,19.77 92.69,19.2 ; 43.26,159.01 39.66,159.01 39.2,159.47 38.59,160.09 ; 37.34,161.35 36.87,161.82 37.34,161.35 ; 37.34,161.35 38.59,160.11 ; v2(161.46,56.91) 161.47,56.91 163.43,56.91 ; v2(88.73,41.26) C326.1 ; C330.1 164.17,41.26
  B2.RO w0.4: 164.81,42.8 164.59,43.02 U71.2 ; 164.81,42.8 C330.1 ; 164.81,42.8 164.81,47.95 164.55,48.22 U71.10 163.4,48.22 164.2,48.22 164.3,48.32 164.3,49.06 164.73,49.49 164.73,51.48 ; 164.73,51.48 164.51,51.71 U72.2 ; 164.73,51.48 164.73,56.56 164.39,56.91 163.43,56.91 ; 155.16,14.07 C600.1 ; U138.19 168,12.2 168.13,12.33 168.13,13.54 ; 167.89,20.63 168.03,20.77 168.03,22.47 ; 167.89,20.63 U137.19 168.48,20.63 168.42,20.69 ; 167.89,20.63 168.13,20.39 168.13,20.23 ; 168.13,20.23 C599.1 168.13,13.54 ; 168.13,20.23 168.3,20.23 168.3,20.57 168.42,20.69 ; U123.19 92.56,12.21 92.69,12.34 C526.1 92.69,19.2 92.69,20.28 ; 92.46,20.64 92.58,20.76 92.58,22.44 C577.1 ; 92.46,20.64 U132.19 92.06,20.63 93.04,20.63 93.05,20.62 ; 92.46,20.64 92.69,20.4 92.69,20.28 ; 92.69,20.28 92.86,20.28 92.86,20.43 93.05,20.62 ; 89.37,47.95 89.1,48.22 U25.10 ; 89.37,47.95 C326.1 89.37,42.8 89.16,43.02 U25.2 ; 89.37,47.95 89.28,48.04 C329.1 ; C329.1 89.28,51.49 89.06,51.71 U70.2 ; C329.1 89.3,50.06 89.3,56.55 88.94,56.91 87.99,56.91 ; 35.55,168.69 35.54,168.68 ; 35.54,168.68 35.54,168.69 36.64,169.79 36.64,171.91 37.15,172.42 39.11,172.42 39.46,172.77 40.08,172.77 41.12,173.81 v2(41.69,173.81) ; 35.54,168.68 35.74,168.88 37.74,168.88 37.74,167.93 38.07,167.6 ; v2(66.28,57.48) 67.02,57.48 67.51,57.97 R211.2 R207.2 ; 168.13,13.54 v2(168.13,13.54) ; 93.05,20.62 v2(93.09,20.58) ; 168.42,20.69 v2(168.53,20.58) ; v2(141.32,57.39) 143.82,57.39 R251.2 R255.2
  B2.RO w0.5: v2(86.09,57.14) 86.32,56.91 87.99,56.91 ; v2(69.39,56.98) 68.91,57.46 R207.2
  vias: v2(35.54,168.69)
